# Altium PCB PCIe_to_M2E.PcbDoc (part 5 of 6)
Units mm, origin at the board's own origin, x right, y up, seen from the top; angles counter-clockwise.
Board outline 90 x 100 mm, 6 copper layers (1_TOP, 2_GND, 3_Signal, 4_GND, 5_Signal, 6_BOTTOM), stack 1.617 mm thick; 433 components, 362 nets, 1771 pads, 2680 vias.
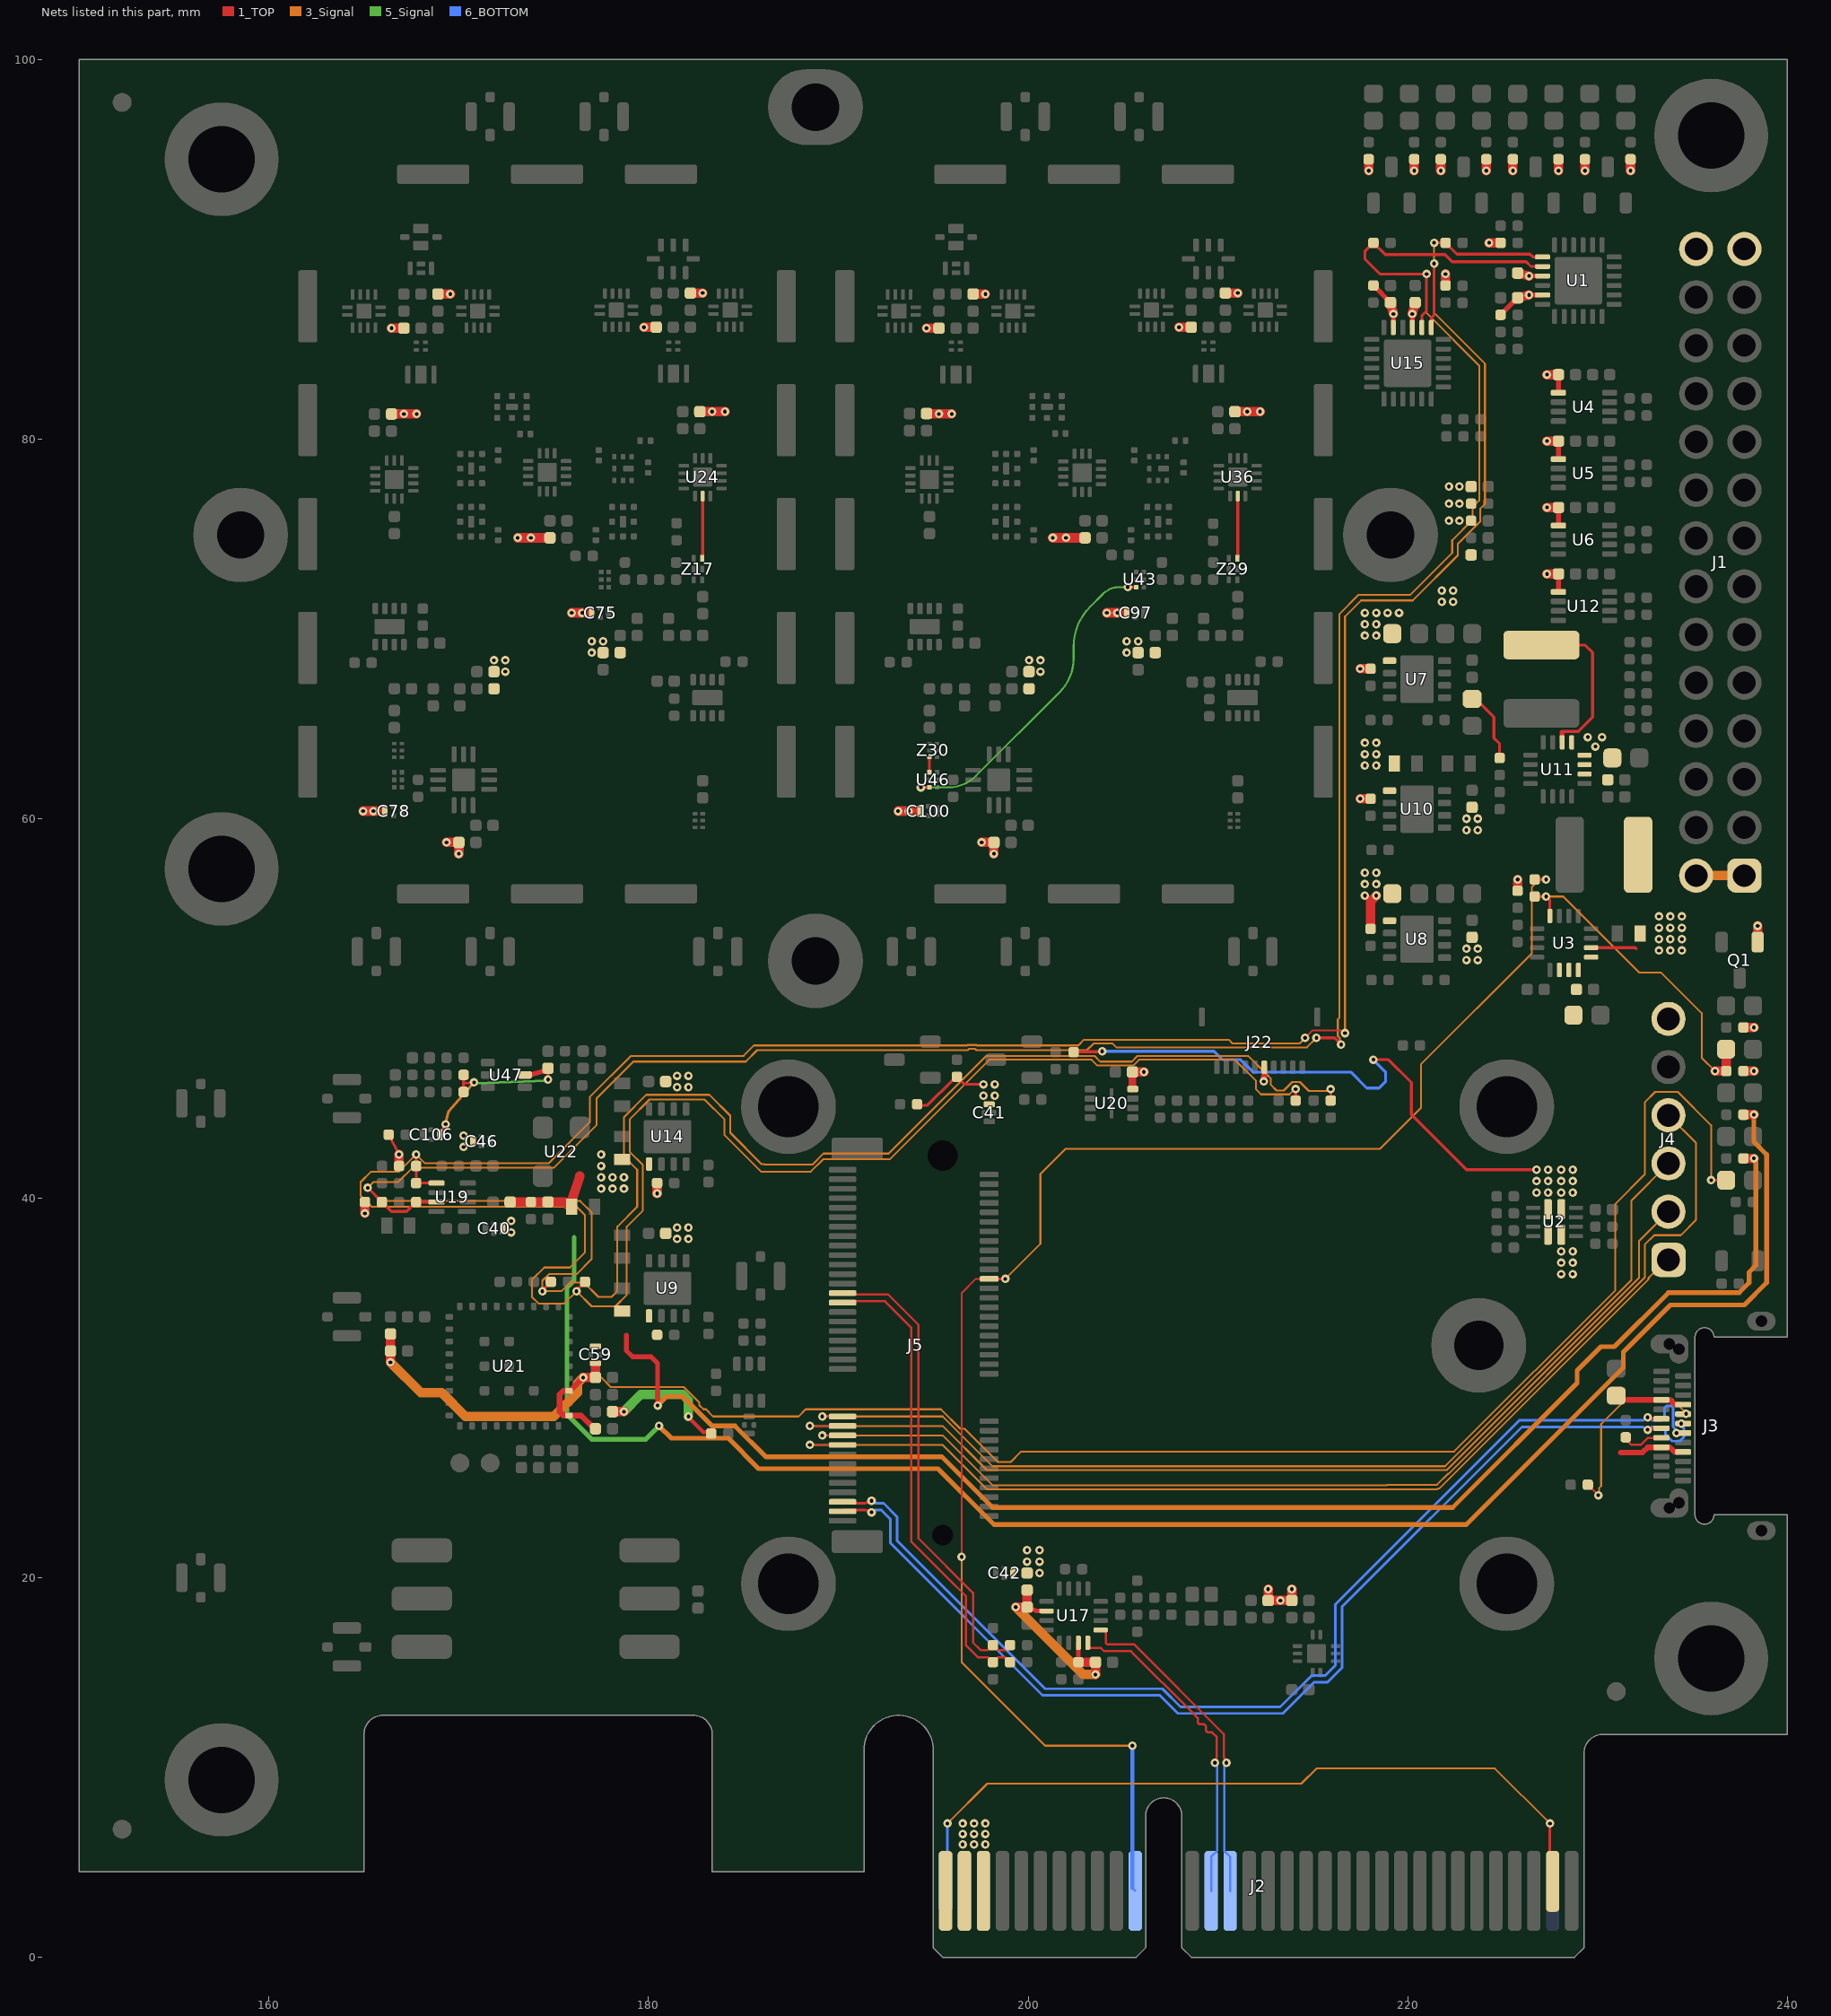
[diagram p9: the nets of this part, all layers, seen from the top]

## Via types
v1: diameter 0.45, hole 0.2, 1_TOP to 6_BOTTOM, tented both sides, 2680 vias

## Nets (pads, with @x,y where several pads share a name; then routed paths per layer and width w, separated by ;. In a path a pad name is that pad's centre, name@x,y a point inside that pad or via, vN(x,y) a via of type N, cw(c..) or ccw(c..) an arc to the next point about the centre after c; other vN are vias at no path point) (continued)
NetU43_3: U43.3 U46.3 | length 17.5
  1_TOP w0.15: v1(194.35,61.65) U46.3@194.8,61.65 ; v1(205.25,72.2) U43.3@205.7,72.2
  5_Signal w0.1: v1@194.45,61.65 195.8,61.65 ccw(c195.8,63.702) 197.251,62.251 ; 197.251,62.251 201.658,66.658 ccw(c199.865,68.45) 202.4,68.45 202.4,69.063 cw(c205.387,69.063) 203.275,71.175 203.946,71.846 cw(c204.8,70.993) 204.8,72.2 v1@205.35,72.2
NetU46_1: U46.1 Z30.6 | length 0.8
  1_TOP w0.15: U46.1@194.8,62.45 Z30.6@194.8,63.24
NetZ17_3: U24.9 Z17.3 | length 3.3
  1_TOP w0.15: Z17.3@182.823,73.72 182.85,73.747 U24.9@182.85,77
NetZ29_3: U36.9 Z29.3 | length 3.3
  1_TOP w0.15: Z29.3@211.022,73.72 211.05,73.747 U36.9@211.05,77
PCI_PERST#: J2.A11 J5.52 R7.1 | length 84
  1_TOP w0.1: v1(196.5,21.1) 196.5,35 197.25,35.75 J5.52@197.95,35.75
  1_TOP w0.15: J5.52@197.95,35.75 v1(198.8,35.75) ; R7.1@226.7,56.8 v1(227.3,56.8)
  3_Signal w0.1: v1(196.5,21.1) 196.5,15.55 200.9,11.15 v1(205.5,11.15) ; v1(198.8,35.75) 200.65,37.6 200.65,41.275 201.975,42.6 218.55,42.6 220.7,44.75 220.7,47.05 226.55,52.9 226.55,56.4 226.95,56.8 v1(227.3,56.8)
  6_BOTTOM w0.1: J2.A11@205.5,3.65 J2.A11@205.65,3.5
  6_BOTTOM w0.2: J2.A11@205.5,3.65 v1(205.5,11.15)
PCI_REF_CLK_N: J2.A14 U17.1 | length 17.6
  1_TOP w0.12: U17.1@203.825,17.25 204,17.25 204.1,17.15 204.1,16.562 204.162,16.5 205.573,16.5 210.32,11.753 210.32,10.55 v1(210.45,10.25)
  6_BOTTOM w0.12: v1(210.45,10.25) 210.335,10.135 210.335,7.9 210.335,5.61 210.65,5.295 J2.A14@210.65,3.5
PCI_REF_CLK_P: J2.A13 U17.16 | length 17.6
  1_TOP w0.12: U17.16@203.15,16.575 203.15,16.35 203.2,16.3 203.838,16.3 204.008,16.13 205.42,16.13 208.742,12.808 208.938,12.612 208.938,12.362 209.014,12.287 209.263,12.287 209.375,12.175 209.375,11.925 209.45,11.85 209.7,11.85 209.95,11.6 209.95,10.55 v1(209.85,10.25)
  6_BOTTOM w0.12: J2.A13@209.65,3.5 209.65,5.295 209.965,5.61 209.965,7.9 209.965,10.135 v1(209.85,10.25)
PG_3V45: D3.A R7.2 R33.1 U3.4 | length 17.5
  1_TOP w0.15: R7.2@226.7,55.9 v1(227.3,55.9) 227.5,55.7 U3.4@227.5,54.875
  1_TOP w0.5: v1(236.2,46.7) R33.1@236.8,46.7 236.8,47.84 D3.A@236.79,47.85
  3_Signal w0.1: v1(227.3,55.9) 228.2,55.9 232.2,51.9 233.35,51.9 235.5,49.75 235.5,47.4 v1(236.2,46.7)
PRSNT#: J2.A1 J2.B31 | length 40.4
  1_TOP w0.15: v1(227.5,7.05) 227.5,4.15 J2.B31@227.65,4
  3_Signal w0.1: v1(195.75,7.05) 197.85,9.15 214.4,9.15 215.2,9.95 224.6,9.95 v1(227.5,7.05)
  6_BOTTOM w0.15: J2.A1@195.65,4 195.75,4.1 v1(195.75,7.05)
SCL: R77.2 R78.1 R89.2 R94.1 R96.2 U1.19 U15.19 U19.5 | length 193.8
  1_TOP w0.1: v1(214.6,48.45) 215,48.85 216.466,48.85 216.616,48.7 v1(216.7,48.7)
  1_TOP w0.15: v1(167.75,42.3) R78.1@167.75,41.7 R77.2@167.75,40.8 U19.5@168.825,40.8 ; v1(176.2,35.1) 176.2,35.15 R94.1@176.65,35.6 ; R89.2@214.1,45.15 v1@214.1,45.65 ; v1@214.15,45.65 v1@214.15,45.75 ; U15.19@221.25,85.885 221.25,86.4 221.4,86.55 221.4,88.8 v1(221.4,89.25) ; v1(221.4,90.35) R96.2@222,90.35 222.6,89.75 226.45,89.75 226.6,89.6 U1.19@227.115,89.6
  3_Signal w0.1: v1(214.1,45.75) 214.05,45.75 213.775,45.475 212.281,45.475 212.018,45.738 212.018,46.182 210.9,47.3 205.85,47.3 205.541,46.991 203.659,46.991 203.35,47.3 197.95,47.3 192.7,42.05 189.196,42.05 188.546,41.4 185.926,41.4 184,43.326 184,44.15 182.95,45.2 180.05,45.2 179,44.15 179,42.45 179.7,41.75 179.7,39.35 178.85,38.5 178.85,34.9 178.25,34.3 177,34.3 v1(176.2,35.1) 175.55,34.45 174.2,34.45 173.85,34.8 173.85,35.7 174.5,36.35 175.85,36.35 176.65,37.15 176.65,39.1 176.2,39.55 165.4,39.55 164.825,40.125 164.825,40.85 165.375,41.4 166.85,41.4 v1(167.75,42.3) 168.2,41.85 174.75,41.85 176.9,44 176.9,45.324 179.076,47.5 185,47.5 185.55,48.05 196.787,48.05 196.812,48.075 197.288,48.075 197.313,48.05 202.65,48.05 202.95,48.35 210.583,48.35 210.783,48.15 214.3,48.15 v1(214.6,48.45) ; v1(216.7,48.7) 216.7,70.65 217.55,71.5 220.273,71.5 222.65,73.877 222.65,74.475 223.825,75.65 223.825,76.325 224.075,76.575 224.075,83.975 221.4,86.65 v1(221.4,89.25) v1(221.4,90.35)
SDA: R74.2 R75.1 R90.2 R95.1 R98.2 U1.20 U15.20 U19.7 | length 201.5
  1_TOP w0.15: v1(165.2,40.55) R75.1@165.95,39.8 166.45,39.3 167.25,39.3 R74.2@167.75,39.8 U19.7@168.825,39.8 ; v1(174.4,35.1) 174.4,35.15 R95.1@174.85,35.6 ; v1(215.2,48.45) 216.15,48.45 v1(216.5,48.1) ; R90.2@215.95,45.15 v1(215.95,45.75) ; U15.20@220.75,85.885 220.75,86.5 221,86.75 v1(221,88.7) 218.55,88.7 217.75,89.5 217.75,89.9 R98.2@218.2,90.35 218.825,89.725 221.975,89.725 222.35,89.35 226.25,89.35 226.5,89.1 U1.20@227.115,89.1
  3_Signal w0.1: v1(215.2,48.45) 214.7,47.95 204.65,47.95 204.45,48.15 203.45,48.15 203.1,47.8 197.28,47.8 197.205,47.875 196.895,47.875 196.82,47.8 185.724,47.8 185.124,47.2 179.2,47.2 177.25,45.25 177.25,43.85 175,41.6 167.55,41.6 166.8,40.85 165.5,40.85 v1(165.2,40.55) 165.9,39.85 176.4,39.85 177,39.25 177,36.8 176.2,36 174.75,36 174.4,35.65 v1(174.4,35.1) 175.4,35.1 175.85,35.55 176.6,35.55 177.35,34.8 178.05,34.8 178.35,35.1 178.35,38.5 179.4,39.55 179.4,41.5 178.7,42.2 178.7,44.274 179.876,45.45 183.2,45.45 184.3,44.35 184.3,43.45 185.95,41.8 186.077,41.8 186.107,41.77 188.633,41.77 189.213,42.35 192.65,42.35 197.8,47.5 203.5,47.5 203.8,47.2 205.467,47.2 205.767,47.5 211.599,47.5 212.573,46.526 212.793,46.306 212.793,45.977 213.095,45.675 213.475,45.675 213.925,46.125 214.325,46.125 214.8,45.65 215.755,45.65 215.855,45.75 v1(215.95,45.75) ; v1(216.5,48.1) 216.433,48.167 216.433,48.437 216.325,48.545 216.325,49.425 216.4,49.5 216.4,70.774 217.426,71.8 220.149,71.8 222.35,74.001 222.35,74.675 223.425,75.75 223.425,76.425 223.775,76.775 223.775,83.875 221,86.65 v1(221,88.7)
SERDES_REF_CLK_N: J5.49 R70.2 R72.2 | length 25.1
  1_TOP w0.12: J5.49@190.225,35 190.29,34.935 192.588,34.935 192.613,34.935 194.22,33.328 194.22,33.303 194.22,22.08 197.1,19.2 197.1,17.153 ; 197.1,17.15 197.1,16.585 197.5,16.185 197.885,16.185 R72.2@198.15,16.45 198.415,16.185 198.785,16.185 R70.2@199.05,16.45
SERDES_REF_CLK_P: J5.47 R71.2 R73.1 | length 25.1
  1_TOP w0.12: J5.47@190.225,34.5 190.29,34.565 192.46,34.565 193.85,33.175 193.85,21.9 195.775,19.975 196.73,19.02 196.73,16.432 197.347,15.815 197.885,15.815 R73.1@198.15,15.55 198.415,15.815 198.785,15.815 R71.2@199.05,15.55
TCK: J4.4 J5.19 | length 61.1
  1_TOP w0.1: v1(189.15,27.5) J5.19@190.225,27.5
  3_Signal w0.1: v1(189.15,27.5) 195.5,27.5 198.125,24.875 218.905,24.875 218.93,24.9 221.55,24.9 222.125,25.475 222.158,25.475 232.5,35.817 232.5,37.55 233,38.05 234.4,38.05 235.2,38.85 235.2,42.92 J4.4@233.75,44.37
TDI: J4.2 J5.21 | length 54.7
  1_TOP w0.1: v1(188.5,28) J5.21@190.225,28
  3_Signal w0.1: v1(188.5,28) 195.5,28 197.825,25.675 222.075,25.675 232.2,35.8 232.2,37.74 J4.2@233.75,39.29
TDO: J4.3 J5.23 | length 55.8
  1_TOP w0.1: v1(189.15,28.5) J5.23@190.225,28.5
  3_Signal w0.1: v1(189.15,28.5) 195.5,28.5 198.125,25.875 221.975,25.875 231.8,35.7 231.8,39.88 J4.3@233.75,41.83
TMS: J4.1 J5.17 | length 53
  1_TOP w0.1: v1(188.5,27) J5.17@190.225,27
  3_Signal w0.1: v1(188.5,27) 189.25,27 195.5,27 197.85,24.65 221.55,24.65 221.6,24.7 221.666,24.7 232.675,35.709 232.7,35.734 cw(c232.859,35.734) 232.746,35.846 233.65,36.75 J4.1@233.75,36.75
USB_CC1: J3.A5 R65.1 | length 2.2
  1_TOP w0.12: R65.1@231.45,27.35 231.8,27 232.3,27 232.675,27.375 J3.A5@233.375,27.375
USB_CC2: J3.B5 R130.1 | length 9.8
  1_TOP w0.1: R130.1@229.5,24.9 v1(230.05,24.35)
  3_Signal w0.1: v1(230.05,24.35) 230.088,24.388 230.088,24.725 230.2,24.837 230.2,28.1 231.5,29.4 233.961,29.4 v1@234.6,28.76
  other v1: 234.674,28.636
USB_D_N: J3.A7 J3.B7 J5.5 | length 60.3
  1_TOP w0.14: J5.5@190.225,24 190.302,23.923 190.959,23.923 190.962,23.92 191.16,23.92 191.4,23.92 v1@191.617,24 ; v1(232.65,28.45) 232.725,28.375 J3.A7@233.375,28.375 ; v1@191.617,24 191.666,24.05 v1(191.75,24.05) v1@191.617,24
  6_BOTTOM w0.14: v1(191.75,24.05) 191.834,24.05 191.964,23.92 192.391,23.92 193.09,23.221 193.09,21.96 198.25,16.8 198.37,16.68 200.9,14.15 207.081,14.15 208.041,13.19 213.29,13.19 214.94,14.84 215.65,14.84 216.2,15.39 216.2,18.6 225.89,28.29 232.413,28.29 232.573,28.45 v1(232.65,28.45) 232.732,28.45 232.887,28.295 233.35,28.295 233.55,28.495 233.55,28.95 233.65,29.05 233.9,29.05 234,28.95 234,27.95 234.116,27.834 234.116,27.684 v1(234.175,27.625)
USB_D_P: J3.A6 J3.B6 J5.3 | length 60.2
  1_TOP w0.14: J5.3@190.225,23.5 190.302,23.577 190.959,23.577 190.962,23.58 191.301,23.58 191.418,23.58 v1@191.612,23.504 ; v1(232.65,27.8) 232.725,27.875 J3.A6@233.375,27.875 ; v1@191.612,23.504 191.666,23.45 v1(191.75,23.45) v1@191.612,23.504
  6_BOTTOM w0.14: v1(191.75,23.45) 191.834,23.45 191.964,23.58 192.25,23.58 192.75,23.08 192.75,21.819 200.759,13.81 206.94,13.81 207.9,12.85 213.431,12.85 215.081,14.5 215.791,14.5 216.54,15.249 216.54,18.459 226.031,27.95 232.416,27.95 232.566,27.8 v1(232.65,27.8) 232.732,27.8 232.887,27.955 233.518,27.955 233.6,27.873 233.6,27.55 233.9,27.25 233.95,27.2 234.35,27.2 234.57,27.42 234.57,27.88 234.543,27.907 234.543,27.924 234.425,28.041 v1(234.425,28.125)
VCC5P0: C23.1 C24.1 C69.1 C77.1 C91.1 C99.1 L23.2 L26.2 L28.1 L51.2 L54.2 L56.1 R28.2 R30.2 U7.1 U8.1 | length 4.9
  1_TOP w0.5: v1(169.35,58.75) L28.1@170,58.75 v1(170,58.15) ; v1(197.55,58.75) L56.1@198.2,58.75 v1(198.2,58.15) ; v1(217.5,67.9) R28.2@218.05,67.9 ; R30.2@218.05,54.2 218.05,55.65 v1(218.35,55.95)
  other v1: 217.75,55.95 217.75,56.55 218.35,56.55 217.75,57.15 218.35,57.15 172.45,67.75 200.65,67.75 171.85,68.35 172.45,68.35 200.05,68.35 200.65,68.35 177,68.75 205.2,68.75 177,69.35 177.6,69.35 205.2,69.35 205.8,69.35 217.75,69.65 218.35,69.65 217.75,70.25 218.35,70.25 217.75,70.85 218.35,70.85 218.95,70.85 219.55,70.85
VCC_1P8: C1.2 C2.2 C8.1 C9.1 C10.1 C19.1 C22.1 C30.1 C31.1 C47.1 C75.1 C78.1 C97.1 C100.1 J1.27 J1.28 J4.6 J22.5 L14.2 Q1.1 R2.1 R3.1 R22.2 R26.2 R54.1 R55.1 R75.2 R78.2 R135.1 U1.21 U1.23 U4.1 U5.1 U6.1 U10.1 U12.1 U15.21 U15.23 U20.8 | length 32.3
  1_TOP w0.15: R135.1@166.3,43.35 v1(166.85,42.3) ; U20.8@205.5,45.77 U20.8@205.52,45.75
  1_TOP w0.2: v1(182.1,28.5) 182.1,28.45 182.878,27.672 183.228,27.672 R22.2@183.3,27.6
  1_TOP w0.25: R55.1@218.2,88.1 C30.1@219.1,87.2 ; U15.23@219.25,85.885 v1(219.25,86.6) ; U15.21@220.25,85.885 v1(220.25,86.6) ; R3.1@224.9,86.55 C2.2@225.8,87.45 ; v1(226.4,87.6) U1.23@227.115,87.6 ; v1(226.4,88.6) U1.21@227.115,88.6 ; U12.1@227.95,71.95 C19.1@227.95,72.9 ; U6.1@227.95,75.45 C10.1@227.95,76.4 ; U5.1@227.95,78.95 C9.1@227.95,79.9 ; U4.1@227.95,82.45 C8.1@227.95,83.4
  1_TOP w0.3: v1(212.418,46.151) 212.425,46.158 212.425,46.392 212.45,46.417 J22.5@212.45,46.9
  1_TOP w0.4: U20.8@205.5,45.77 C47.1@205.5,46.65
  1_TOP w0.5: v1(164.95,60.4) v1(165.5,60.4) C78.1@166,60.4 ; v1(165.05,39.2) R75.2@165.05,39.8 ; R78.2@166.85,41.7 v1(166.85,42.3) ; v1(175.95,70.85) v1(176.5,70.85) C75.1@176.9,70.85 ; L14.2@178.1,28.75 v1(178.7,28.75) ; v1(193.15,60.4) C100.1@194.2,60.4 ; v1(204.15,70.85) C97.1@205.1,70.85 ; C47.1@205.5,46.65 v1(206.1,46.65) ; v1(217.5,61.05) R26.2@218.05,61.05 ; C30.1@219.1,87.2 v1(219.25,86.6) ; v1(220.25,86.6) C31.1@220.4,87.2 ; R54.1@222,88.1 v1(222,88.7) ; v1(224.3,90.35) R2.1@224.9,90.35 ; C2.2@225.8,87.45 v1(226.4,87.6) ; C1.2@225.8,88.75 v1(226.4,88.6) ; v1(227.35,72.9) C19.1@227.95,72.9 ; v1(227.35,76.4) C10.1@227.95,76.4 ; v1(227.35,79.9) C9.1@227.95,79.9 ; v1(227.35,83.4) C8.1@227.95,83.4 ; Q1.1@238.45,53.5 v1(238.45,54.35)
  5_Signal w0.5: v1(178.7,28.75) 178.7,28.763 179.587,29.65 181.807,29.65 182.1,29.357 v1(182.1,28.5)
  other v1: 193.7,60.4 217.75,62.8 218.35,62.8 217.75,63.4 218.35,63.4 217.75,64 218.35,64 204.7,70.85
VCC_1P8_BUF: C106.1 C107.2 R132.1 R134.1 U47.5 | length 10.7
  1_TOP w0.15: C106.1@169,43.35 v1(169.3,43.9) ; R134.1@170.25,45.6 170.25,46.05 ; R132.1@170.25,46.5 170.25,46.05 ; v1(170.8,46.1) 170.25,46.05 ; v1(174.7,46.25) C107.2@174.7,46.85
  1_TOP w0.25: U47.5@173.475,46.5 173.486,46.494 173.577,46.443 174.643,46.748 174.694,46.839 C107.2@174.7,46.85
  5_Signal w0.15: v1(170.8,46.1) 170.812,46.089 170.858,46.046 174.646,46.192 174.689,46.238 v1(174.7,46.25)
  3_Signal w0.15: v1(169.3,43.9) 169.408,44.43 cw(c169.8,44.35) 169.499,44.613 v1(170.8,46.1)
VCC_3P45: C7.1 C41.3 C42.3 J1.1 J1.2 L1.2 L4.1 L5.1 L6.1 L7.1 L8.2 L9.2 L57.1 R12.2 R19.2 R33.2 R34.2 R49.2 R50.2 R51.2 R52.2 R105.2 R106.2 R107.2 R108.2 R109.2 U3.14 | length 18.2
  1_TOP w0.15: R19.2@194.15,44.95 194.2,44.9 194.7,44.9 196.039,46.239 196.055,46.239 196.225,46.409 196.225,46.425 196.65,46 v1(197.65,46) ; U3.14@229.675,53.2 232,53.2 232.05,53.15
  1_TOP w0.5: v1(212.65,19.4) L7.1@212.65,18.8 v1(213.3,18.8) L8.2@213.9,18.8 v1(213.9,19.4) ; v1(217.95,94.15) R52.2@217.95,94.75 ; v1(220.35,94.15) R106.2@220.35,94.75 ; v1(221.75,94.15) R51.2@221.75,94.75 ; v1(224.15,94.15) R105.2@224.15,94.75 ; v1(225.55,94.15) R50.2@225.55,94.75 ; R12.2@225.8,56.2 v1(225.8,56.8) ; v1(227.95,94.15) R107.2@227.95,94.75 ; v1(229.35,94.15) R49.2@229.35,94.75 ; v1(231.75,94.15) R108.2@231.75,94.75 ; R33.2@237.7,46.7 v1(238.25,46.7) ; R34.2@237.7,49 v1(238.25,49)
  3_Signal w0.5: J1.2@235.21,57 J1.1@237.75,57
  other v1: 200.6,20.25 199.95,20.85 200.6,20.85 199.95,21.45 200.6,21.45 181.5,37.85 182.1,37.85 181.5,38.45 182.1,38.45 197.65,45.4 198.25,45.4 181.5,45.85 182.1,45.85 198.25,46 181.5,46.45 182.1,46.45 233.25,53.05 233.85,53.05 234.45,53.05 233.25,53.65 233.85,53.65 234.45,53.65 233.25,54.25 233.85,54.25 234.45,54.25 233.25,54.85 233.85,54.85 234.45,54.85 223.1,59.4 223.7,59.4 223.1,60 223.7,60 221.8,71.425 222.4,71.425 221.8,72.025 222.4,72.025
VCC_3P45_SY: C34.1 C36.1 L9.1 R66.2 U17.10 U17.15 | length 10.8
  1_TOP w0.25: C34.1@199.95,18.45 200.45,18.25 U17.10@200.975,18.25 ; R66.2@202.65,15.55 U17.15@202.65,16.575
  1_TOP w0.5: v1(199.35,18.45) C34.1@199.95,18.45 L9.1@199.95,19.35 ; R66.2@202.65,15.55 C36.1@203.55,15.55 v1(203.55,14.9)
  3_Signal w0.5: v1(199.35,18.45) 202.9,14.9 v1(203.55,14.9)
VCC_6P2: C27.1 L21.2 R18.2 U11.14 | length 12.6
  1_TOP w0.15: C27.1@223.4,66.31 223.7,66.01 223.89,66.01 224.55,65.35 224.55,64.25 224.85,63.95 R18.2@224.85,63.15 ; L21.2@227.05,69.15 229.35,69.15 229.75,68.75 229.75,65.349 229.001,64.6 228.2,64.6 228.15,64.55
  1_TOP w0.25: U11.14@228.15,64.025 228.15,64.55
VCC_GPS_3P0: C21.1 C59.3 R24.2 R32.2 U9.1 | length 77.7
  1_TOP w0.25: 178.825,32.775 178.825,31.975 179.15,31.65 180.125,31.65 180.475,31.3 v1(180.475,29.075)
  1_TOP w0.5: R32.2@237.7,42.1 v1(238.25,42.1)
  3_Signal w0.25: v1(180.475,29.075) 180.95,29.55 181.8,29.55 183.35,28 184.55,28 186.175,26.375 195.45,26.375 198.125,23.7 222.375,23.7 228.932,30.257 228.932,30.918 230.189,32.175 230.9,32.175 233.75,35.025 237.475,35.025 238,35.55 238,36.1 238.35,36.45 238.35,41.946 238.25,42.046 v1(238.25,42.1)
VCC_MUX: C3.1 C5.1 L3.1 U2.1 U2.8 U3.10 U3.11 U3.12 U3.13
  other v1: 228.1,36 228.7,36 228.1,36.6 228.7,36.6 228.1,37.2 228.7,37.2 228.1,40.3 228.7,40.3 228.1,40.9 228.7,40.9 228.1,41.5 228.7,41.5 223.1,52.55 223.7,52.55 223.1,53.15 223.7,53.15
VCC_OSC_3P0: C29.1 C40.3 C46.1 R31.2 R48.2 U14.1 | length 91.6
  1_TOP w0.5: v1(180.45,40.25) R48.2@180.45,40.8 ; R31.2@237.7,44.4 v1(238.25,44.4)
  5_Signal w0.25: 176.075,37.925 176.075,35.675 175.7,35.3 175.7,28.6 177,27.3 179.85,27.3 v1(180.55,28)
  3_Signal w0.25: v1(180.55,28) 181.2,27.35 184.2,27.35 185.8,25.75 195.25,25.75 198.2,22.8 223.1,22.8 231.375,31.075 231.375,31.9 233.85,34.375 237.75,34.375 238.925,35.55 238.925,42.3 238.25,42.975 v1@238.25,44.35
  other v1: 172.75,38.2 172.75,38.8 177.5,40.5 178.1,40.5 178.7,40.5 177.5,41.1 178.1,41.1 178.7,41.1 177.5,41.7 177.5,42.3 170.25,42.7 170.25,43.3
VCC_RF_3P0: C105.1 L15.2 L16.2 L17.2 L18.1 L19.1 L20.2 L22.2 L36.2 L44.2 L45.2 L46.1 L47.1 L48.2 L50.2 R125.2 R126.1 | length 13.9
  1_TOP w0.5: L17.2@166.45,81.325 v1(167.1,81.325) v1(167.775,81.325) ; v1(166.45,85.85) L19.1@167.1,85.85 ; L22.2@168.9,87.65 v1(169.55,87.65) ; v1(173.1,74.8) v1(173.8,74.8) L15.2@174.8,74.8 ; v1(179.75,85.9) L20.2@180.4,85.9 ; L18.1@182.2,87.7 v1(182.85,87.7) ; L16.2@182.7,81.45 v1(183.35,81.45) v1(184.025,81.45) ; L45.2@194.65,81.325 v1(195.3,81.325) v1(195.975,81.325) ; v1(194.65,85.85) L47.1@195.3,85.85 ; L50.2@197.1,87.65 v1(197.75,87.65) ; v1(201.3,74.8) v1(202,74.8) L36.2@203,74.8 ; v1(207.95,85.9) L48.2@208.6,85.9 ; L46.1@210.4,87.7 v1(211.05,87.7) ; L44.2@210.9,81.45 v1(211.55,81.45) v1(212.225,81.45)
  other v1: 222.175,75.7 222.725,75.7 222.175,76.6 222.725,76.6 222.175,77.5 222.725,77.5
VCC_USB: C33.1 J3.A4 J3.A9 J3.B4 J3.B9 U2.7 | length 6.1
  1_TOP w0.3: 231.244,26.6 232.375,26.6 232.65,26.875 J3.A4@233.375,26.875 233.825,26.875 233.951,26.749 234.075,26.625 J3.B9@234.25,26.625 ; 231.6,29.375 J3.A9@233.375,29.375 233.825,29.375 233.951,29.249 234.075,29.125 J3.B4@234.375,29.125
VCCGPS: C52.1 C54.1 C55.2 C59.1 D9.A L13.1 U21.19 U21.21 | length 99.1
  1_TOP w0.15: v1(236,40.95) D9.A@236.79,40.95
  1_TOP w0.3: v1(176.55,30.55) 175.85,29.85 U21.21@175.8,29.85 175.5,29.85 175.3,29.65 175.3,28.75 175.5,28.55 U21.19@175.8,28.55 176.45,28.55 177.15,27.85 C54.1@177.2,27.85